# Altium PCB PCB_v5.PcbDoc (part 3 of 7) (continued)
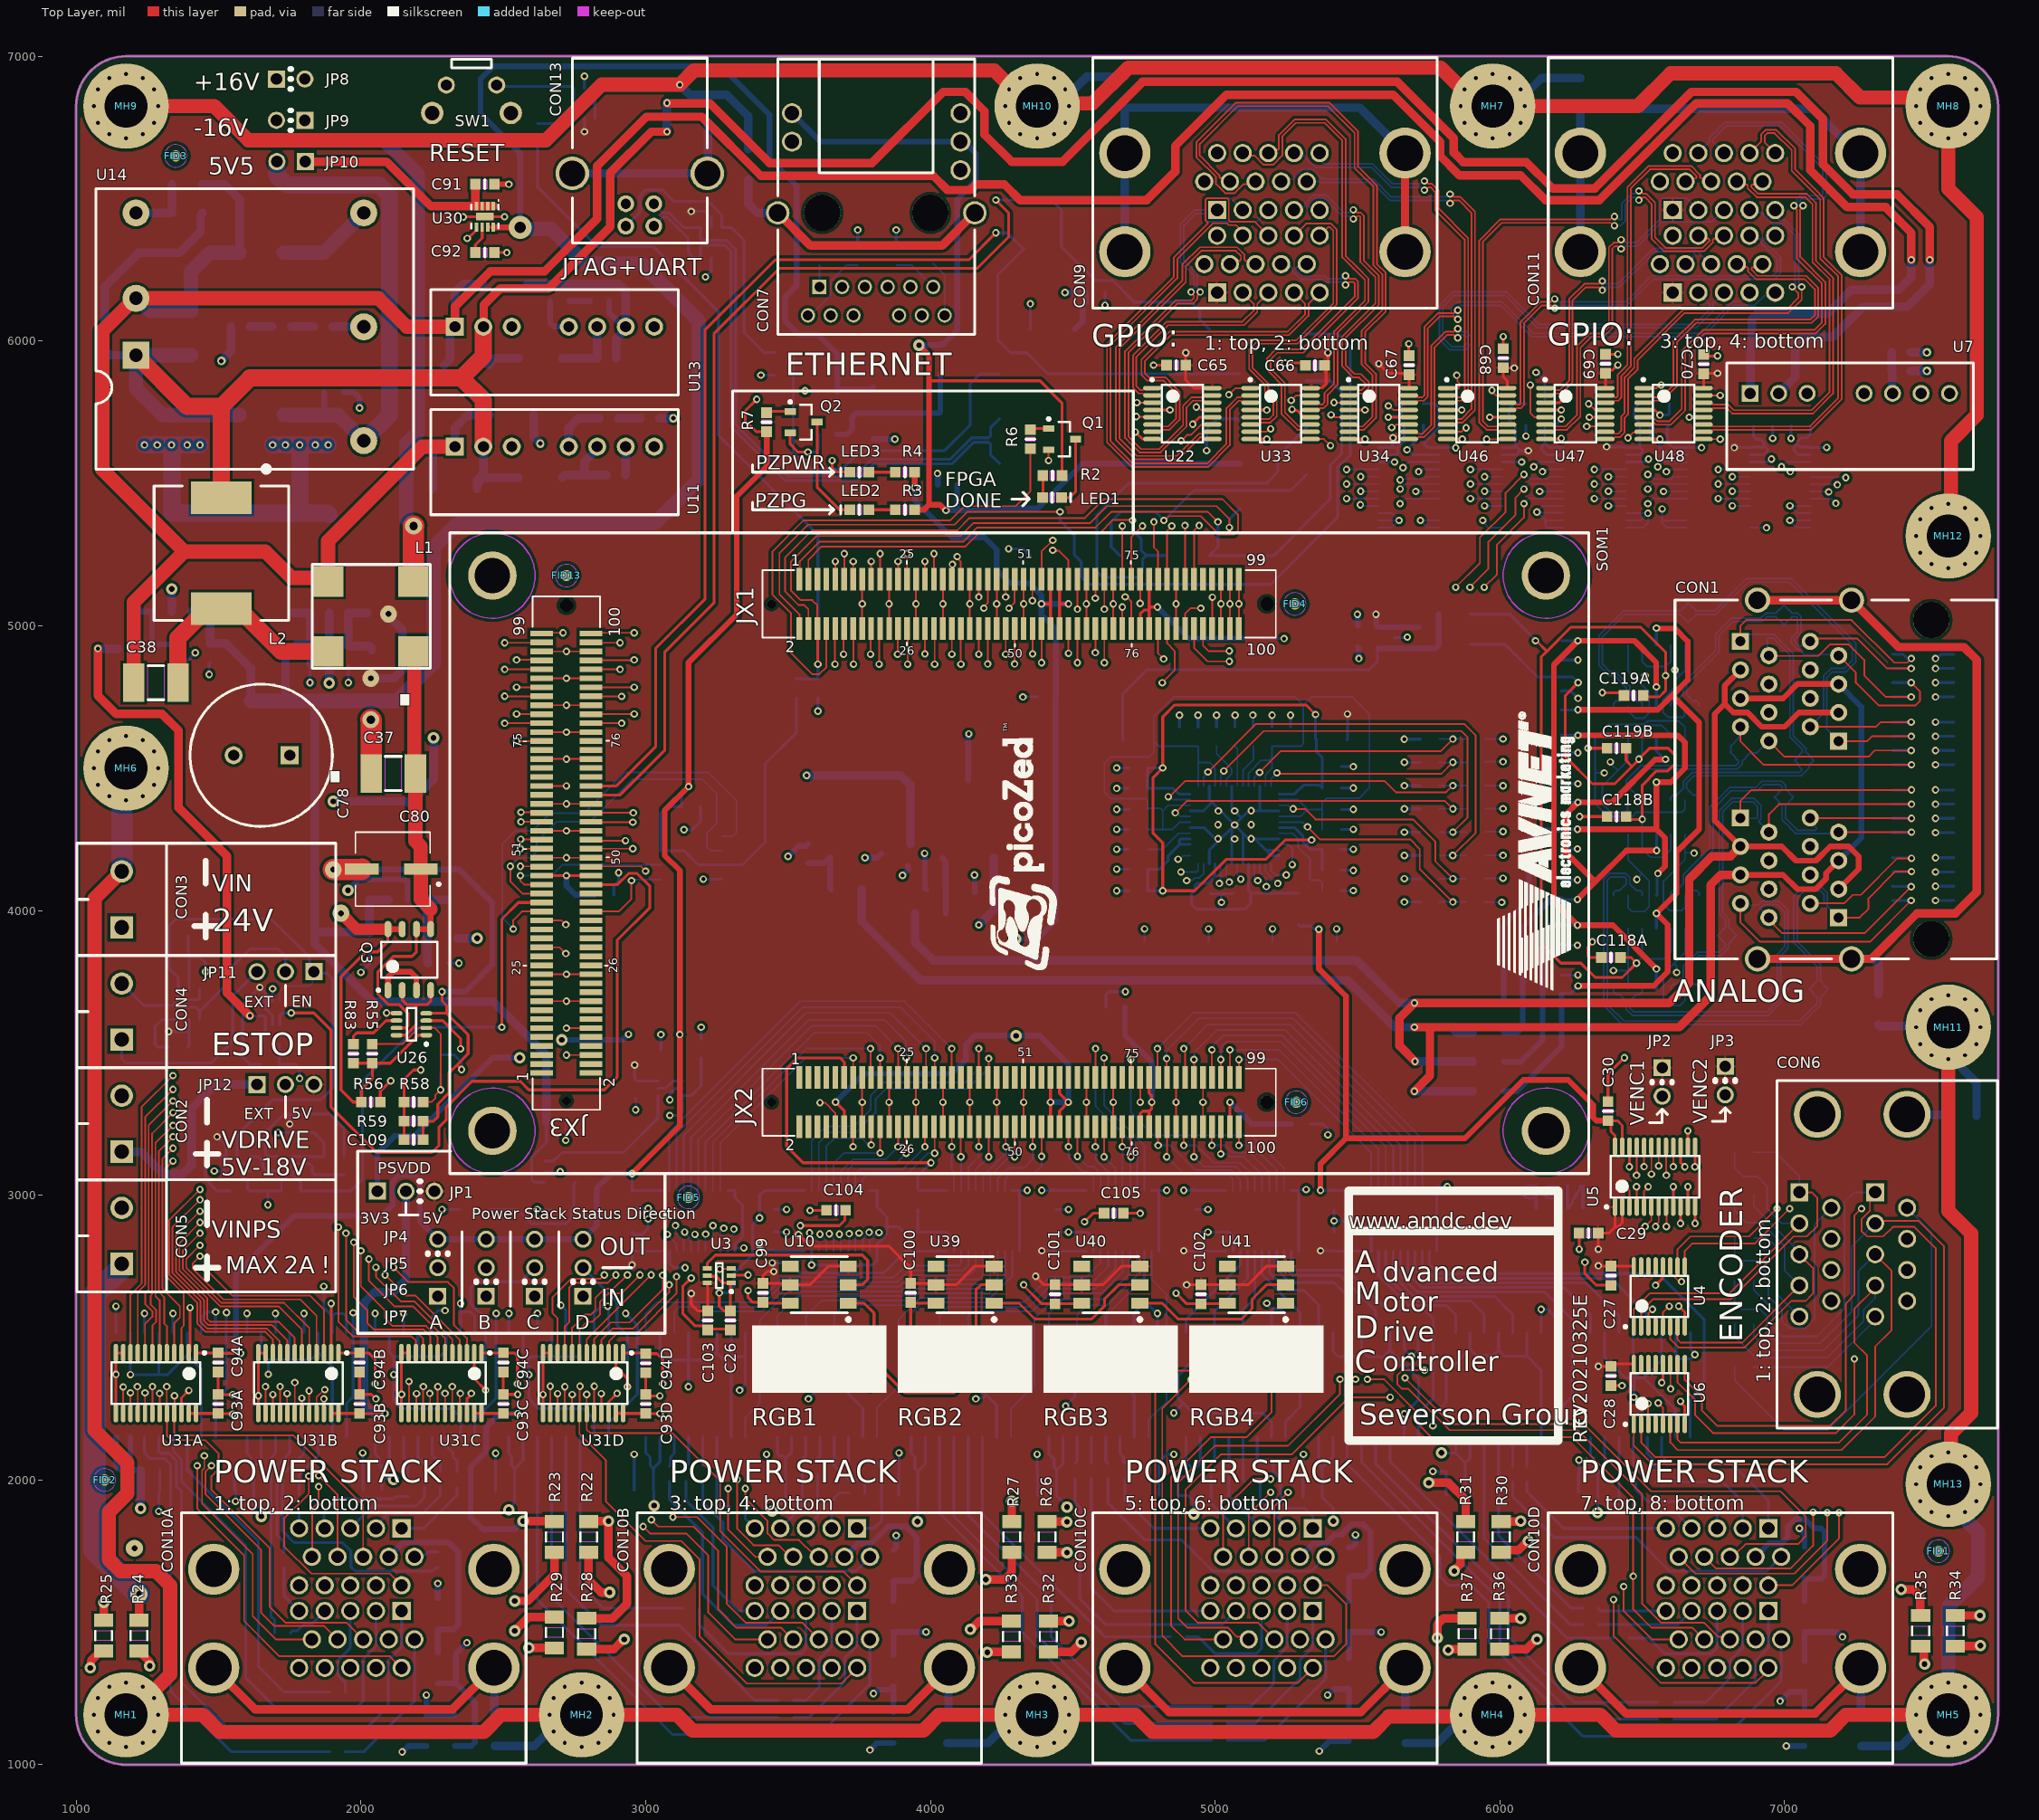
[diagram p0: Top Layer view]
## Nets (pads, with @x,y where several pads share a name; then routed paths per layer and width w, separated by ;. In a path a pad name is that pad's centre, name@x,y a point inside that pad or via, vN(x,y) a via of type N, cw(c..) or ccw(c..) an arc to the next point about the centre after c; other vN are vias at no path point) (continued)
EEPROM_CS: SOM1.JX3-37 U27.1 | length 1594.9
  Top Layer w6: v1(2535,3935) 2535,3966.39 2565,3996.39 SOM1.JX3-37@2635.12,3996.39
  Bottom Layer w6: v1(2535,3935) 2496.71,3973.29 2496.71,4233.77 2542.8,4279.85 2604.11,4279.85 2666.36,4342.1 2784.77,4342.1 2927.67,4485 3219.28,4485 3319.1,4385.17 3319.1,4274.85 3304.62,4260.37 U27.1@3266.94,4260.37
EEPROM_SCK: SOM1.JX3-43 U27.6 | length 607
  Top Layer w6: v1(2560,4122.37) 2560,4104.09 2573.21,4090.88 SOM1.JX3-43@2635.12,4090.88
  Bottom Layer w6: v1(2560,4122.37) 2669.89,4122.37 2707.89,4160.37 U27.6@3052.38,4160.37
EEPROM_SI: SOM1.JX3-38 U27.5 | length 329.3
  Top Layer w6: SOM1.JX3-38@2808.35,3996.39 2906.39,3996.39 2950,4040 v1(2950,4105)
  Bottom Layer w6: v1(2950,4105) 2952.68,4107.68 3049.69,4107.68 U27.5@3052.38,4110.37
EEPROM_SO: SOM1.JX3-41 U27.2 | length 1332
  Top Layer w6: v1(2524.7,4155) 2524.7,4102.51 2567.83,4059.38 SOM1.JX3-41@2635.12,4059.38
  Bottom Layer w6: v1(2524.7,4155) 2554.92,4185.22 2595.12,4185.22 2616.92,4207.02 2616.92,4241.61 2686.66,4311.35 2803.84,4311.35 2952.98,4460.48 3199.51,4460.48 3250.21,4409.79 3250.21,4306.81 3214.51,4271.11 3214.51,4225.34 3229.49,4210.37 U27.2@3266.94,4210.37
ENC_1A: CON6.1T R11.2 U4.2 | length 1218.1
  Top Layer w6: U4.2@6496,2538.09 6496,2592.34 6538.66,2635 6811.89,2635 7031.89,2855 7078.2,2855 7115.04,2891.83 7115.04,2989.96 7094.76,3010.24 CON6.1T@7052.05,3010.24
  Bottom Layer w6: R11.2@6891.54,3150.72 6967.14,3150.72 7052.05,3065.81 CON6.1T@7052.05,3010.24
ENC_1A\: CON6.2T R11.1 U4.1 | length 1177.6
  Top Layer w6: U4.1@6470.41,2538.09 6470.41,2599.56 6525.85,2655 6805.87,2655 CON6.2T@7052.05,2901.18
  Bottom Layer w6: R11.1@6824.61,3150.72 6824.61,3095.39 6854.19,3065.81 6904.19,3065.81 6938,3032 6938,2952.85 6989.67,2901.18 CON6.2T@7052.05,2901.18
ENC_1B: CON6.3T R12.2 U4.6 | length 1067.9
  Top Layer w6: U4.6@6598.36,2538.09 6598.36,2493.78 6627.14,2465 6860,2465 7023.54,2628.54 7073.54,2628.54 7100,2655 7100,2744.17 CON6.3T@7052.05,2792.13
  Bottom Layer w6: R12.2@6891.54,3000 6891.54,2961.77 7052.05,2801.26 CON6.3T@7052.05,2792.13
ENC_1B\: CON6.4T R12.1 U4.7 | length 1002
  Top Layer w6: U4.7@6623.95,2538.09 6623.95,2492.99 6634.57,2482.37 6851.35,2482.37 CON6.4T@7052.05,2683.07
  Bottom Layer w6: R12.1@6824.61,3000 6824.61,2945 6865.68,2903.93 6917.07,2903.93 7000,2821 7000,2735.12 CON6.4T@7052.05,2683.07
ENC_1Z: CON6.5T R13.2 U4.10 | length 1249.9
  Top Layer w6: U4.10@6623.95,2750.69 6623.95,2810.45 6668.5,2855 6875.45,2855 v1(6973.3,2952.85)
  Int2 (Sign) w6: v1(6973.3,2952.85) 6973.3,2652.76 CON6.5T@7052.05,2574.02
  Bottom Layer w6: R13.2@6891.54,2849.28 6940.37,2849.28 6973.3,2816.35 6973.3,2652.76 CON6.5T@7052.05,2574.02
ENC_1Z\: CON6.6T R13.1 U4.9 | length 1574.1
  Top Layer w6: U4.9@6649.54,2750.69 6649.54,2804.54 6675,2830 6895,2830 v1(7017.85,2952.85)
  Int2 (Sign) w6: v1(7017.85,2952.85) 7161,2952.85 CON6.6T@7163.86,2955.71
  Bottom Layer w6: R13.1@6824.61,2849.28 6824.61,2790.39 6845,2770 6896.89,2770 6943,2723.89 6943,2645.98 6990.63,2598.35 6990.63,2557.69 7014.8,2533.52 7073.52,2533.52 7105,2565 7105,2896.85 CON6.6T@7163.86,2955.71
ENC_2A: CON6.1B R14.2 U6.2 | length 3209.6
  Top Layer w6: U6.2@6496,2195.29 6496,2131.2 6547.2,2080 7350.68,2080 7530.94,2260.26 7530.94,2814.06 7455.85,2889.15 7380.71,2889.15 7346.56,2855 7290,2855 7270.31,2874.68 7270.31,2915.32 7300,2945 CON6.1B@7300,2992.05
  Top Layer w10: CON6.1B@7300,2992.05 CON6.1B@7318.19,3010.24
  Bottom Layer w6: R14.2@6891.54,2698.57 6891.54,2667.01 6960,2598.54 6960,2535.23 6990.63,2504.61 7114.29,2504.61 7210,2600.32 7210,2975 7245.24,3010.24 CON6.1B@7318.19,3010.24
ENC_2A\: CON6.2B R14.1 U6.1 | length 3089.5
  Top Layer w6: U6.1@6470.41,2195.29 6470.41,2120.59 6536,2055 7361.02,2055 7560,2253.98 7560,2820 7470,2910 CON6.2B@7327.01,2910
  Top Layer w10: CON6.2B@7318.19,2901.18 CON6.2B@7327.01,2910
  Bottom Layer w6: R14.1@6824.61,2698.57 6824.14,2698.1 6824.14,2625.03 6850,2599.17 6913.9,2599.17 6938,2575.07 6938,2521.93 6979.93,2480 7124.76,2480 7235,2590.24 7235,2817.99 CON6.2B@7318.19,2901.18
ENC_2B: CON6.3B R15.2 U6.6 | length 2180.1
  Top Layer w6: U6.6@6598.36,2195.29 6598.36,2131.2 6624.57,2105 7200,2105 7318.19,2223.19 7318.19,2468.19 7375,2525 7375,2735.32 CON6.3B@7318.19,2792.13
  Bottom Layer w6: R15.2@6891.54,2547.85 6891.54,2506.21 6942.74,2455 7136.81,2455 7260,2578.19 7260,2733.94 CON6.3B@7318.19,2792.13
ENC_2B\: CON6.4B R15.1 U6.7 | length 1990.3
  Top Layer w6: U6.7@6623.95,2195.29 6623.95,2141.82 6634.57,2131.2 7191.52,2131.2 7290,2229.68 7290,2437.37 7245,2482.37 7245,2600 CON6.4B@7318.19,2673.19
  Top Layer w10: CON6.4B@7318.19,2673.19 CON6.4B@7318.19,2683.07
  Bottom Layer w6: R15.1@6824.61,2547.85 6824.61,2504.61 6824.14,2504.14 6898.28,2430 7150,2430 7277.69,2557.69 7277.69,2597.69 7318.19,2638.19 CON6.4B@7318.19,2683.07
ENC_2Z: CON6.5B R16.2 U6.10 | length 1698.8
  Top Layer w6: U6.10@6623.95,2407.89 6623.95,2342.4 6685.75,2280.61 6685.75,2227.54 6748.29,2165 7180.31,2165 7245,2229.68 v1(7245,2425)
  Int2 (Sign) w6: v1(7245,2425) 7318.19,2498.19 CON6.5B@7318.19,2574.02
  Bottom Layer w6: R16.2@6891.54,2397.13 7152.13,2397.13 7318.19,2563.19 CON6.5B@7318.19,2574.02
ENC_2Z\: CON6.6B R16.1 U6.9 | length 3043.8
  Top Layer w6: U6.9@6649.54,2407.89 6649.54,2350.83 6710,2290.37 6710,2243.29 6763.29,2190 7160,2190 7215,2245 7215,2620 7245,2650 7245,2927.54 v1(7270.31,2952.85)
  Int2 (Sign) w6: v1(7270.31,2952.85) 7427.15,2952.85 CON6.6B@7430,2955.71
  Bottom Layer w6: R16.1@6824.61,2397.13 6824.61,2350.39 7000,2175 7150,2175 7515.94,2540.94 7515.94,2869.76 CON6.6B@7430,2955.71
ESTOP_DRIVE_EN: C25.2 CON4.2 JP11.1 R8.2 U32.1 U32.3 U43.2 U44.3 | length 2442.4
  Bottom Layer w6: U44.3@1715.59,3682.32 1715.59,3715.59 1735,3735 1820,3735 1830,3745 1830,3780 JP11.1@1835,3785
  Bottom Layer w10: CON4.2@1160,3743.43 1236.85,3666.57 1338.7,3666.57 1359.13,3687.01 ; U32.3@1433.94,3723.15 1433.94,3692.87 1428.08,3687.01 1359.13,3687.01 ; U43.2@1612.32,3110 1575,3110 1565,3120 1565,3210 1690,3335 1860,3335 1900,3375 1900,3760 1880,3780 1840,3780 JP11.1@1835,3785 1820,3800 1820,3835 1685,3970 1350,3970 1326.54,3946.54 C25.2@1326.54,3907.5 R8.2@1326.54,3835 1326.54,3796.3 1359.13,3763.7 U32.1@1359.13,3723.15 1359.13,3687.01
ETH_MD1_N: CON7.10 SOM1.JX3-53 | length 3087.5
  Top Layer w7: v1(2561.34,4250) 2633.48,4250 SOM1.JX3-53@2635.12,4248.36
  Int2 (Sign) w8: v1(2561.34,4250) 2562.69,4250 2571.08,4241.61 2762.53,4241.61 2810.77,4193.36 3198.81,4193.36 3421,4415.55 3421,4579.66 3421,4661.6 ccw(c3415.6,4661.6) 3415.6,4667 3410.15,4667 cw(c3410.15,4672.4) 3404.75,4672.4 3404.75,4679.6 cw(c3410.15,4679.6) 3410.15,4685 3415.6,4685 ccw(c3415.6,4690.4) 3421,4690.4 3421,4697.6 ccw(c3415.6,4697.6) 3415.6,4703 3410.15,4703 cw(c3410.15,4708.4) 3404.75,4708.4 3404.75,4715.6 cw(c3410.15,4715.6) 3410.15,4721 3415.6,4721 ccw(c3415.6,4726.4) 3421,4726.4 3421,4733.6 ccw(c3415.6,4733.6) 3415.6,4739 3410.15,4739 cw(c3410.15,4744.4) 3404.75,4744.4 3404.75,4751.6 cw(c3410.15,4751.6) 3410.15,4757 3415.6,4757 ccw(c3415.6,4762.4) 3421,4762.4 3421,4769.6 ccw(c3415.6,4769.6) 3415.6,4775 3410.15,4775 cw(c3410.15,4780.4) 3404.75,4780.4 3404.75,4787.6 cw(c3410.15,4787.6) 3410.15,4793 3415.6,4793 ccw(c3415.6,4798.4) 3421,4798.4 3421,4811 3421,4820 3421,4917.52 3421,4953 3480,5012 3480,5127.39 3421,5186.39 3421,5536 3921,6036 3921,6062 3893,6090 CON7.10@3890,6090
ETH_MD1_P: CON7.11 SOM1.JX3-51 | length 3082.1
  Top Layer w6: v1(2560,4216.86) SOM1.JX3-51@2635.12,4216.86
  Int2 (Sign) w8: v1(2560,4216.86) 2564.33,4216.86 2571.08,4223.61 2755.07,4223.61 2803.32,4175.36 3206.27,4175.36 3217.75,4186.84 3420.45,4389.55 3439,4408.1 3439,4632.59 3439,4796.6 cw(c3444.4,4796.6) 3444.4,4802 3452.31,4802 ccw(c3452.31,4807.4) 3457.71,4807.4 3457.71,4814.6 ccw(c3452.31,4814.6) 3452.31,4820 3444.4,4820 cw(c3444.4,4825.4) 3439,4825.4 3439,4832.6 cw(c3444.4,4832.6) 3444.4,4838 3452.31,4838 ccw(c3452.31,4843.4) 3457.71,4843.4 3457.71,4850.6 ccw(c3452.31,4850.6) 3452.31,4856 3444.4,4856 cw(c3444.4,4861.4) 3439,4861.4 3439,4865 3439,4945.54 3498,5004.54 3498,5134.85 3439,5193.85 3439,5528.54 3939,6028.54 3939,6062 3967,6090 CON7.11@3970,6090
ETH_MD2_N: CON7.5 SOM1.JX3-54 | length 3085.7
  Top Layer w6: SOM1.JX3-54@2808.35,4248.36 2811.71,4245 v1(2929.06,4245)
  Int2 (Sign) w8: v1(2929.06,4245) 2932.45,4241.61 3145.6,4241.61 3200.67,4296.69 3203.22,4299.23 ccw(c3199.4,4303.05) 3203.22,4306.87 3197.66,4312.43 cw(c3201.48,4316.25) 3197.66,4320.06 3202.75,4325.16 cw(c3206.57,4321.34) 3210.39,4325.16 3215.95,4319.6 ccw(c3219.77,4323.42) 3223.58,4319.6 3228.68,4324.69 ccw(c3224.86,4328.51) 3228.68,4332.33 3223.12,4337.88 cw(c3226.94,4341.7) 3223.12,4345.52 3228.21,4350.61 cw(c3232.03,4346.79) 3235.85,4350.61 3241.4,4345.05 ccw(c3245.22,4348.87) 3249.04,4345.05 3257.95,4353.96 3298.89,4394.9 3357.36,4453.38 3357.36,5055.38 cw(c3366.16,5082.8) 3337.36,5082.8 3337.36,5109.2 cw(c3366.16,5109.2) 3366.16,5138 ; 3366.16,5186 cw(c3366.16,5214.8) 3337.36,5214.8 3337.36,5241.2 cw(c3366.16,5241.2) 3366.16,5270 ; 3366.16,5318 cw(c3366.16,5346.8) 3337.36,5346.8 3337.36,5373.2 cw(c3366.16,5373.2) 3366.16,5402 ; 3366.56,5138 ccw(c3366.56,5148.8) 3377.36,5148.8 3377.36,5175.2 ccw(c3366.56,5175.2) 3366.56,5186 ; 3366.56,5270 ccw(c3366.56,5280.8) 3377.36,5280.8 3377.36,5307.2 ccw(c3366.56,5307.2) 3366.56,5318 ; 3366.56,5402 ccw(c3366.56,5412.8) 3377.36,5412.8 3377.36,5439.2 ccw(c3366.56,5439.2) 3366.56,5450 cw(c3366.36,5459) 3357.36,5459 3357.36,5584.52 3407.33,5634.49 cw(c3413.69,5628.13) 3418.44,5635.78 ccw(c3434.15,5661.41) 3464.22,5661.41 ccw(c3434.15,5661.41) 3459.77,5677.16 cw(c3500.72,5702.33) 3525.89,5743.28 ccw(c3541.63,5768.89) 3571.7,5768.89 ccw(c3541.63,5768.89) 3567.25,5784.64 cw(c3574.92,5789.35) 3568.55,5795.71 3622.29,5849.45 cw(c3628.66,5843.09) 3633.41,5850.73 ; 3633.37,5850.76 ccw(c3649.11,5876.37) 3633.41,5850.73 ; CON7.5@3929.92,6190 3885.96,6233.96 3831.96,6233.96 3812.92,6214.92 3812.92,6183.5 3794.92,6165.5 3794.92,6144.49 3794.92,6135.49 3794.92,6122.09 cw(c3790.32,6122.09) 3790.32,6117.49 ccw(c3790.32,6112.09) 3784.92,6112.09 3784.92,6104.89 ccw(c3790.32,6104.89) 3790.32,6099.49 cw(c3790.32,6094.89) 3794.92,6094.89 3794.92,6086.09 cw(c3790.32,6086.09) 3790.32,6081.49 ccw(c3790.32,6076.09) 3784.92,6076.09 3784.92,6068.89 ccw(c3790.32,6068.89) 3790.32,6063.49 cw(c3790.32,6058.89) 3794.92,6058.89 3794.92,6045.49 3794.92,6034.47 3794.92,6022.08 3734.4,5961.56 ccw(c3715.68,5917.29) 3674.73,5892.12 cw(c3649.11,5876.37) 3679.18,5876.37 cw(c3649.11,5876.37) 3633.41,5850.73
ETH_MD2_P: CON7.4 SOM1.JX3-52 | length 3091.1
  Top Layer w6: SOM1.JX3-52@2808.35,4216.86 v1(2955,4216.86)
  Int2 (Sign) w8: v1(2955,4216.86) 2959.33,4216.86 2966.08,4223.61 3153.05,4223.61 3243.85,4314.41 3250.22,4320.78 3259.13,4329.69 cw(c3262.95,4325.87) 3266.76,4329.69 3272.85,4323.6 ccw(c3276.67,4327.42) 3280.49,4323.6 3285.58,4328.69 ccw(c3281.76,4332.51) 3285.58,4336.32 3279.49,4342.41 cw(c3283.31,4346.23) 3279.49,4350.05 3284.58,4355.14 cw(c3288.4,4351.32) 3292.22,4355.14 3298.31,4349.05 ccw(c3302.13,4352.87) 3305.95,4349.05 3311.04,4354.14 ccw(c3307.22,4357.96) 3311.04,4361.78 3304.95,4367.87 cw(c3308.77,4371.69) 3304.95,4375.51 3310.04,4380.6 cw(c3313.86,4376.78) 3317.68,4380.6 3323.76,4374.51 ccw(c3327.58,4378.33) 3331.4,4374.51 3336.49,4379.6 ccw(c3332.67,4383.42) 3336.49,4387.24 3330.4,4393.32 ; 3330.4,4393.33 cw(c3334.22,4397.14) 3330.4,4400.96 3335.5,4406.05 cw(c3339.31,4402.23) 3343.13,4406.05 3349.22,4399.96 ccw(c3353.04,4403.78) 3356.86,4399.96 3361.95,4405.06 ccw(c3358.13,4408.87) 3361.95,4412.69 3355.86,4418.78 cw(c3359.68,4422.6) 3355.86,4426.42 3364.77,4435.33 3375.36,4445.92 3375.36,4454.92 3375.36,4472.92 3375.36,4485.52 cw(c3380.76,4485.52) 3380.76,4490.92 3389.37,4490.92 ccw(c3389.37,4496.32) 3394.77,4496.32 3394.77,4503.52 ccw(c3389.37,4503.52) 3389.37,4508.92 3380.76,4508.92 cw(c3380.76,4514.32) 3375.36,4514.32 3375.36,4521.52 cw(c3380.76,4521.52) 3380.76,4526.92 3389.37,4526.92 ccw(c3389.37,4532.32) 3394.77,4532.32 3394.77,4539.52 ccw(c3389.37,4539.52) 3389.37,4544.92 3380.76,4544.92 cw(c3380.76,4550.32) 3375.36,4550.32 3375.36,4557.52 cw(c3380.76,4557.52) 3380.76,4562.92 3389.37,4562.92 ccw(c3389.37,4568.32) 3394.77,4568.32 3394.77,4575.52 ccw(c3389.37,4575.52) 3389.37,4580.92 3380.76,4580.92 cw(c3380.76,4586.32) 3375.36,4586.32 3375.36,4670.15 3375.36,5063 ccw(c3366.36,5063) 3366.16,5072 cw(c3366.16,5082.8) 3355.36,5082.8 3355.36,5109.2 cw(c3366.16,5109.2) 3366.16,5120 ; 3366.16,5204 cw(c3366.16,5214.8) 3355.36,5214.8 3355.36,5241.2 cw(c3366.16,5241.2) 3366.16,5252 ; 3366.16,5336 cw(c3366.16,5346.8) 3355.36,5346.8 3355.36,5373.2 cw(c3366.16,5373.2) 3366.16,5384 ; 3366.56,5120 ccw(c3366.56,5148.8) 3395.36,5148.8 3395.36,5175.2 ccw(c3366.56,5175.2) 3366.56,5204 ; 3366.56,5252 ccw(c3366.56,5280.8) 3395.36,5280.8 3395.36,5307.2 ccw(c3366.56,5307.2) 3366.56,5336 ; 3366.56,5384 ccw(c3366.56,5412.8) 3395.36,5412.8 3395.36,5439.2 ccw(c3366.56,5439.2) 3375.36,5466.62 3375.36,5577.07 3407.33,5609.04 3415.43,5617.14 ccw(c3434.15,5661.41) 3482.22,5661.41 ccw(c3434.15,5661.41) 3475.1,5686.58 cw(c3500.72,5702.33) 3516.46,5727.94 ccw(c3541.63,5768.89) 3589.7,5768.89 ccw(c3541.63,5768.89) 3585.91,5787.61 3630.39,5832.1 ccw(c3649.11,5876.37) 3697.18,5876.37 ccw(c3649.11,5876.37) 3690.06,5901.54 cw(c3715.68,5917.29) 3731.39,5942.92 ccw(c3736.14,5950.57) 3742.5,5944.21 3812.92,6014.63 3812.92,6049.75 3812.92,6052.4 cw(c3817.52,6052.4) 3817.52,6057 ccw(c3817.52,6062.4) 3822.92,6062.4 3822.92,6069.6 ccw(c3817.52,6069.6) 3817.52,6075 cw(c3817.52,6079.6) 3812.92,6079.6 3812.92,6093 3812.92,6111 3812.92,6120 3812.92,6152.92 CON7.4@3850,6190
ETH_MD3_N: CON7.2 SOM1.JX3-59 | length 3089.9
  Top Layer w6: v1(2562.18,4345) 2632.97,4345 SOM1.JX3-59@2635.12,4342.85
  Int2 (Sign) w8: v1(2562.18,4345) 2571.08,4336.1 2795.09,4336.1 2849.99,4391 3040.82,4391 3187.24,4537.43 3187.24,4632.35 3145,4674.6 3145,4956.97 cw(c3167.84,5000.82) 3150.92,5047.28 ; 3151.91,5047.57 ccw(c3144.93,5076.82) 3175,5076.82 ccw(c3144.93,5076.82) 3151.91,5106.06 cw(c3163.07,5152.82) 3151.91,5199.57 ccw(c3144.93,5228.82) 3175,5228.82 ccw(c3144.93,5228.82) 3151.91,5258.06 cw(c3163.07,5304.82) 3151.91,5351.57 ccw(c3144.93,5380.82) 3175,5380.82 ccw(c3144.93,5380.82) 3151.91,5410.06 cw(c3154,5418.82) 3145,5418.82 3145,5466.46 3187.24,5508.7 3187.24,5749.11 3187.24,5755.81 3200.34,5768.91 3279.35,5847.92 3281.9,5850.46 ccw(c3278.08,5854.28) 3281.9,5858.1 3277.49,5862.51 cw(c3281.31,5866.33) 3277.49,5870.15 3282.58,5875.24 cw(c3286.4,5871.42) 3290.21,5875.24 3294.63,5870.83 ccw(c3298.45,5874.65) 3302.27,5870.83 3307.36,5875.92 ccw(c3303.54,5879.74) 3307.36,5883.56 3302.94,5887.97 cw(c3306.76,5891.79) 3302.94,5895.61 3308.03,5900.7 cw(c3311.85,5896.88) 3315.67,5900.7 3320.08,5896.28 ccw(c3323.9,5900.1) 3327.72,5896.28 3332.81,5901.37 ccw(c3328.99,5905.19) 3332.81,5909.01 3328.4,5913.42 cw(c3332.22,5917.24) 3328.4,5921.06 3333.49,5926.15 cw(c3337.31,5922.33) 3341.13,5926.15 3345.54,5921.74 ccw(c3349.36,5925.56) 3353.18,5921.74 3358.27,5926.83 ccw(c3354.45,5930.65) 3358.27,5934.47 3353.85,5938.88 cw(c3357.67,5942.7) 3353.85,5946.52 3358.95,5951.61 cw(c3362.76,5947.79) 3366.58,5951.61 3371,5947.19 ccw(c3374.81,5951.01) 3378.63,5947.2 3383.72,5952.29 ccw(c3379.91,5956.1) 3383.72,5959.92 3379.31,5964.34 cw(c3383.13,5968.15) 3379.31,5971.97 3384.4,5977.06 cw(c3388.22,5973.25) 3392.04,5977.06 3396.45,5972.65 ccw(c3400.27,5976.47) 3404.09,5972.65 3475,6043.56 3491.19,6059.75 3503,6071.56 3503,6097.95 3549.54,6144.49 3696.74,6144.49 3720.92,6168.67 3720.92,6175.3 3714.26,6181.96 3697.96,6181.96 CON7.2@3689.92,6190
ETH_MD3_P: CON7.3 SOM1.JX3-57 | length 3082.4
  Top Layer w6: v1(2562.16,4311.35) SOM1.JX3-57@2635.12,4311.35
  Int2 (Sign) w8: v1(2562.16,4311.35) 2564.33,4311.35 2571.08,4318.1 2802.54,4318.1 2857.44,4373 3048.27,4373 3205.24,4529.97 3205.24,4639.81 3163,4682.05 3163,4710 3163,4919.43 3163,4962.82 ccw(c3154,4962.82) 3157.08,4971.28 cw(c3167.84,5000.82) 3156.65,5030.2 ccw(c3144.93,5076.82) 3193,5076.82 ccw(c3144.93,5076.82) 3156.09,5123.57 cw(c3163.07,5152.82) 3156.09,5182.06 ccw(c3144.93,5228.82) 3193,5228.82 ccw(c3144.93,5228.82) 3156.09,5275.57 cw(c3163.07,5304.82) 3156.09,5334.06 ccw(c3144.93,5380.82) 3193,5380.82 ccw(c3144.93,5380.82) 3163,5425.36 3163,5459 3205.24,5501.24 3205.24,5748.35 3226.85,5769.95 3233.21,5776.32 3245.94,5789.04 3248.45,5791.55 3254.81,5797.92 3267.54,5810.65 3276.45,5819.55 cw(c3280.27,5815.74) 3284.08,5819.55 3290.09,5813.55 ccw(c3293.91,5817.37) 3297.72,5813.55 3302.82,5818.64 ccw(c3299,5822.46) 3302.82,5826.28 3296.81,5832.28 cw(c3300.63,5836.1) 3296.81,5839.92 3301.9,5845.01 cw(c3305.72,5841.19) 3309.54,5845.01 3315.54,5839.01 ccw(c3319.36,5842.83) 3323.18,5839.01 3328.27,5844.1 ccw(c3324.45,5847.92) 3328.27,5851.74 3322.27,5857.74 cw(c3326.09,5861.56) 3322.27,5865.38 3327.36,5870.47 cw(c3331.18,5866.65) 3335,5870.47 3341,5864.46 ccw(c3344.82,5868.28) 3348.64,5864.46 3353.73,5869.55 ccw(c3349.91,5873.37) 3353.73,5877.19 3347.72,5883.19 cw(c3351.54,5887.01) 3347.72,5890.83 3452.34,5995.45 3503.92,6047.03 3521,6064.11 3521,6090.5 3557,6126.49 3704.2,6126.49 3738.92,6161.22 3738.92,6175.3 3745.58,6181.96 3761.88,6181.96 CON7.3@3769.92,6190
ETH_MD4_N: CON7.9 SOM1.JX3-60 | length 3086.2
  Top Layer w6: SOM1.JX3-60@2808.35,4342.84 v1(2956.38,4342.85)
  Int2 (Sign) w8: v1(2956.38,4342.85) 2953.32,4339.79 2939.3,4339.79 2935.61,4336.1 2921.6,4336.1 2904.31,4318.81 2904.31,4289.23 2921.54,4272 3077.7,4272 3115.92,4310.22 3122.28,4316.58 3135.01,4329.31 3147.74,4342.04 3154.13,4348.43 3160.5,4354.8 3169.41,4363.71 cw(c3173.22,4359.89) 3177.04,4363.71 3183.07,4357.67 ccw(c3186.89,4361.49) 3190.71,4357.67 3195.8,4362.77 ccw(c3191.98,4366.58) 3195.8,4370.4 3189.77,4376.43 cw(c3193.59,4380.25) 3189.77,4384.07 3194.86,4389.16 cw(c3198.68,4385.34) 3202.5,4389.16 3208.53,4383.13 ccw(c3212.35,4386.95) 3216.17,4383.13 3221.26,4388.22 ccw(c3217.44,4392.04) 3221.26,4395.86 3215.23,4401.89 cw(c3219.05,4405.71) 3215.23,4409.53 3220.32,4414.62 cw(c3224.14,4410.8) 3227.95,4414.62 3233.99,4408.59 ccw(c3237.8,4412.4) 3241.62,4408.59 3246.71,4413.68 ccw(c3242.9,4417.5) 3246.71,4421.31 3240.68,4427.35 cw(c3244.5,4431.16) 3240.68,4434.98 3272.85,4467.15 3285,4479.3 3285,4538.89 3285,4648.32 3285,4667.73 3285,4705.42 ccw(c3276,4705.42) 3278.35,4714.11 cw(c3286.28,4743.42) 3278.35,4772.74 ; 3278.23,4772.7 ccw(c3266.93,4819.42) 3315,4819.42 ccw(c3266.93,4819.42) 3278.09,4866.18 cw(c3285.07,4895.42) 3278.09,4924.67 ccw(c3266.93,4971.42) 3315,4971.42 ccw(c3266.93,4971.42) 3278.09,5018.18 cw(c3285.07,5047.42) 3278.09,5076.67 ccw(c3266.93,5123.42) 3315,5123.42 ccw(c3266.93,5123.42) 3278.09,5170.18 cw(c3285.07,5199.42) 3278.09,5228.67 ccw(c3266.93,5275.42) 3315,5275.42 ccw(c3266.93,5275.42) 3278.09,5322.18 cw(c3285.07,5351.42) 3278.09,5380.67 ccw(c3266.93,5427.42) 3315,5427.42 ccw(c3266.93,5427.42) 3278.09,5474.18 cw(c3285.07,5503.42) 3278.09,5532.67 ccw(c3276,5541.42) 3285,5541.42 3285,5626.69 3337.76,5679.46 ccw(c3331.4,5685.82) 3340.4,5685.82 ccw(c3331.4,5685.82) 3339.05,5690.57 cw(c3364.68,5706.28) 3380.43,5731.9 ccw(c3405.6,5772.84) 3453.67,5772.84 ccw(c3405.6,5772.84) 3446.55,5798.02 cw(c3472.16,5813.76) 3487.91,5839.38 ccw(c3513.08,5880.32) 3561.15,5880.32 ccw(c3513.08,5880.32) 3554.03,5905.5 cw(c3579.64,5921.24) 3595.39,5946.86 ccw(c3620.56,5987.8) 3668.63,5987.8 ccw(c3620.56,5987.8) 3664.83,6006.53 3699,6040.69 3699,6075.3 3705.66,6081.96 3721.96,6081.96 CON7.9@3730,6090
ETH_MD4_P: CON7.8 SOM1.JX3-58 | length 3103.6
  Top Layer w6: SOM1.JX3-58@2808.35,4311.35 2809.7,4310 v1(2955,4310)
  Int2 (Sign) w8: v1(2955,4310) 2956.38,4311.35 2953.32,4314.41 2939.3,4314.41 2935.61,4318.1 2929.06,4318.1 2922.31,4311.35 2922.31,4296.69 2929,4290 3070.24,4290 3142.27,4362.02 ccw(c3138.45,4365.84) 3142.27,4369.66 3137.89,4374.04 cw(c3141.71,4377.86) 3137.89,4381.68 3142.98,4386.77 cw(c3146.8,4382.95) 3150.61,4386.77 3154.99,4382.39 ccw(c3158.81,4386.21) 3162.63,4382.39 3167.72,4387.48 ccw(c3163.9,4391.3) 3167.72,4395.11 3163.34,4399.49 cw(c3167.16,4403.31) 3163.34,4407.13 3168.43,4412.22 cw(c3172.25,4408.4) 3176.07,4412.22 3180.45,4407.84 ccw(c3184.27,4411.66) 3188.09,4407.84 3193.18,4412.93 ccw(c3189.36,4416.75) 3193.18,4420.57 3188.8,4424.95 cw(c3192.62,4428.77) 3188.8,4432.59 3193.89,4437.68 cw(c3197.71,4433.86) 3201.53,4437.68 3205.91,4433.3 ccw(c3209.72,4437.12) 3213.54,4433.3 3218.63,4438.39 ccw(c3214.82,4442.21) 3218.63,4446.03 3214.25,4450.41 cw(c3218.07,4454.22) 3214.25,4458.04 3219.35,4463.13 cw(c3223.16,4459.32) 3226.98,4463.13 3231.36,4458.75 ccw(c3235.18,4462.57) 3239,4458.75 3247.91,4467.66 3260.64,4480.39 3267,4486.76 3267,4490.92 3267,4503.52 ccw(c3261.6,4503.52) 3261.6,4508.92 3255.41,4508.92 cw(c3255.41,4514.32) 3250.01,4514.32 3250.01,4521.52 cw(c3255.41,4521.52) 3255.41,4526.92 3261.6,4526.92 ccw(c3261.6,4532.32) 3267,4532.32 3267,4539.52 ccw(c3261.6,4539.52) 3261.6,4544.92 3255.41,4544.92 cw(c3255.41,4550.32) 3250.01,4550.32 3250.01,4557.52 cw(c3255.41,4557.52) 3255.41,4562.92 3261.6,4562.92 ccw(c3261.6,4568.32) 3267,4568.32 3267,4575.52 ccw(c3261.6,4575.52) 3261.6,4580.92 3255.41,4580.92 cw(c3255.41,4586.32) 3250.01,4586.32 3250.01,4593.52 cw(c3255.41,4593.52) 3255.41,4598.92 3261.6,4598.92 ccw(c3261.6,4604.32) 3267,4604.32 3267,4611.52 ccw(c3261.6,4611.52) 3261.6,4616.92 3255.41,4616.92 cw(c3255.41,4622.32) 3250.01,4622.32 3250.01,4629.52 cw(c3255.41,4629.52) 3255.41,4634.92 3261.6,4634.92 ccw(c3261.6,4640.32) 3267,4640.32 3267,4652.92 3267,4661.92 3267,4682.05 3267,4699.07 cw(c3286.28,4743.42) 3273.65,4790.11 ; 3273.91,4790.18 ccw(c3266.93,4819.42) 3297,4819.42 ccw(c3266.93,4819.42) 3273.91,4848.67 cw(c3285.07,4895.42) 3273.91,4942.18 ccw(c3266.93,4971.42) 3297,4971.42 ccw(c3266.93,4971.42) 3273.91,5000.67 cw(c3285.07,5047.42) 3273.91,5094.18 ccw(c3266.93,5123.42) 3297,5123.42 ccw(c3266.93,5123.42) 3273.91,5152.67 cw(c3285.07,5199.42) 3273.91,5246.18 ccw(c3266.93,5275.42) 3297,5275.42 ccw(c3266.93,5275.42) 3273.91,5304.67 cw(c3285.07,5351.42) 3273.91,5398.18 ccw(c3266.93,5427.42) 3297,5427.42 ccw(c3266.93,5427.42) 3273.91,5456.67 cw(c3285.07,5503.42) 3267,5547.97 3267,5634.15 3320.41,5687.56 cw(c3364.68,5706.28) 3389.85,5747.23 ccw(c3405.6,5772.84) 3435.67,5772.84 ccw(c3405.6,5772.84) 3431.21,5788.59 cw(c3472.16,5813.76) 3497.33,5854.71 ccw(c3513.08,5880.32) 3543.15,5880.32 ccw(c3513.08,5880.32) 3538.69,5896.07 cw(c3579.64,5921.24) 3604.81,5962.19 ccw(c3620.56,5987.8) 3650.63,5987.8 ccw(c3620.56,5987.8) 3646.17,6003.55 cw(c3653.84,6008.26) 3647.48,6014.63 3681,6048.15 3681,6075.3 3674.34,6081.96 3658.04,6081.96 CON7.8@3650,6090
ETH_PHY_LED0: CON7.13 SOM1.JX3-47 | length 3307
  Top Layer w6: v1(2560,4155) 2633.99,4155 SOM1.JX3-47@2635.12,4153.87
  Int2 (Sign) w6: v1(2560,4155) 2535,4180 2535,4355.56 2535.56,4355.56 2584,4404 3035.43,4404 3097.37,4465.93 3097.37,5469.73 3157.08,5529.44 3157.08,5794.7 3521,6158.62 3521,6693 CON7.13@3514,6700
ETH_PHY_LED1: CON7.17 SOM1.JX3-48 | length 3515
  Top Layer w6: SOM1.JX3-48@2808.35,4153.87 2809.48,4155 2983.37,4155 v1(3000,4138.37)
  Int2 (Sign) w6: v1(3000,4138.37) 3264.26,4138.37 3513.08,4387.19 3513.08,5483.08 4100,6070 4100,6500 4050,6550 4050,6744 CON7.17@4106,6800
FPGA_DONE: R6.2 SOM1.JX1-8 | length 1827.3
  Top Layer w6: SOM1.JX1-8@3634.57,4990 3634.57,4854.57 3610,4830 3585,4830 3510,4905 3510,5045 3445,5110 3445,5260 3555,5370 4070,5370 4120,5420 4300,5420 4351.02,5471.02 R6.2@4351.02,5621.69